# KiCad board Ethernet controller W5500 board_panel.kicad_pcb (continued)
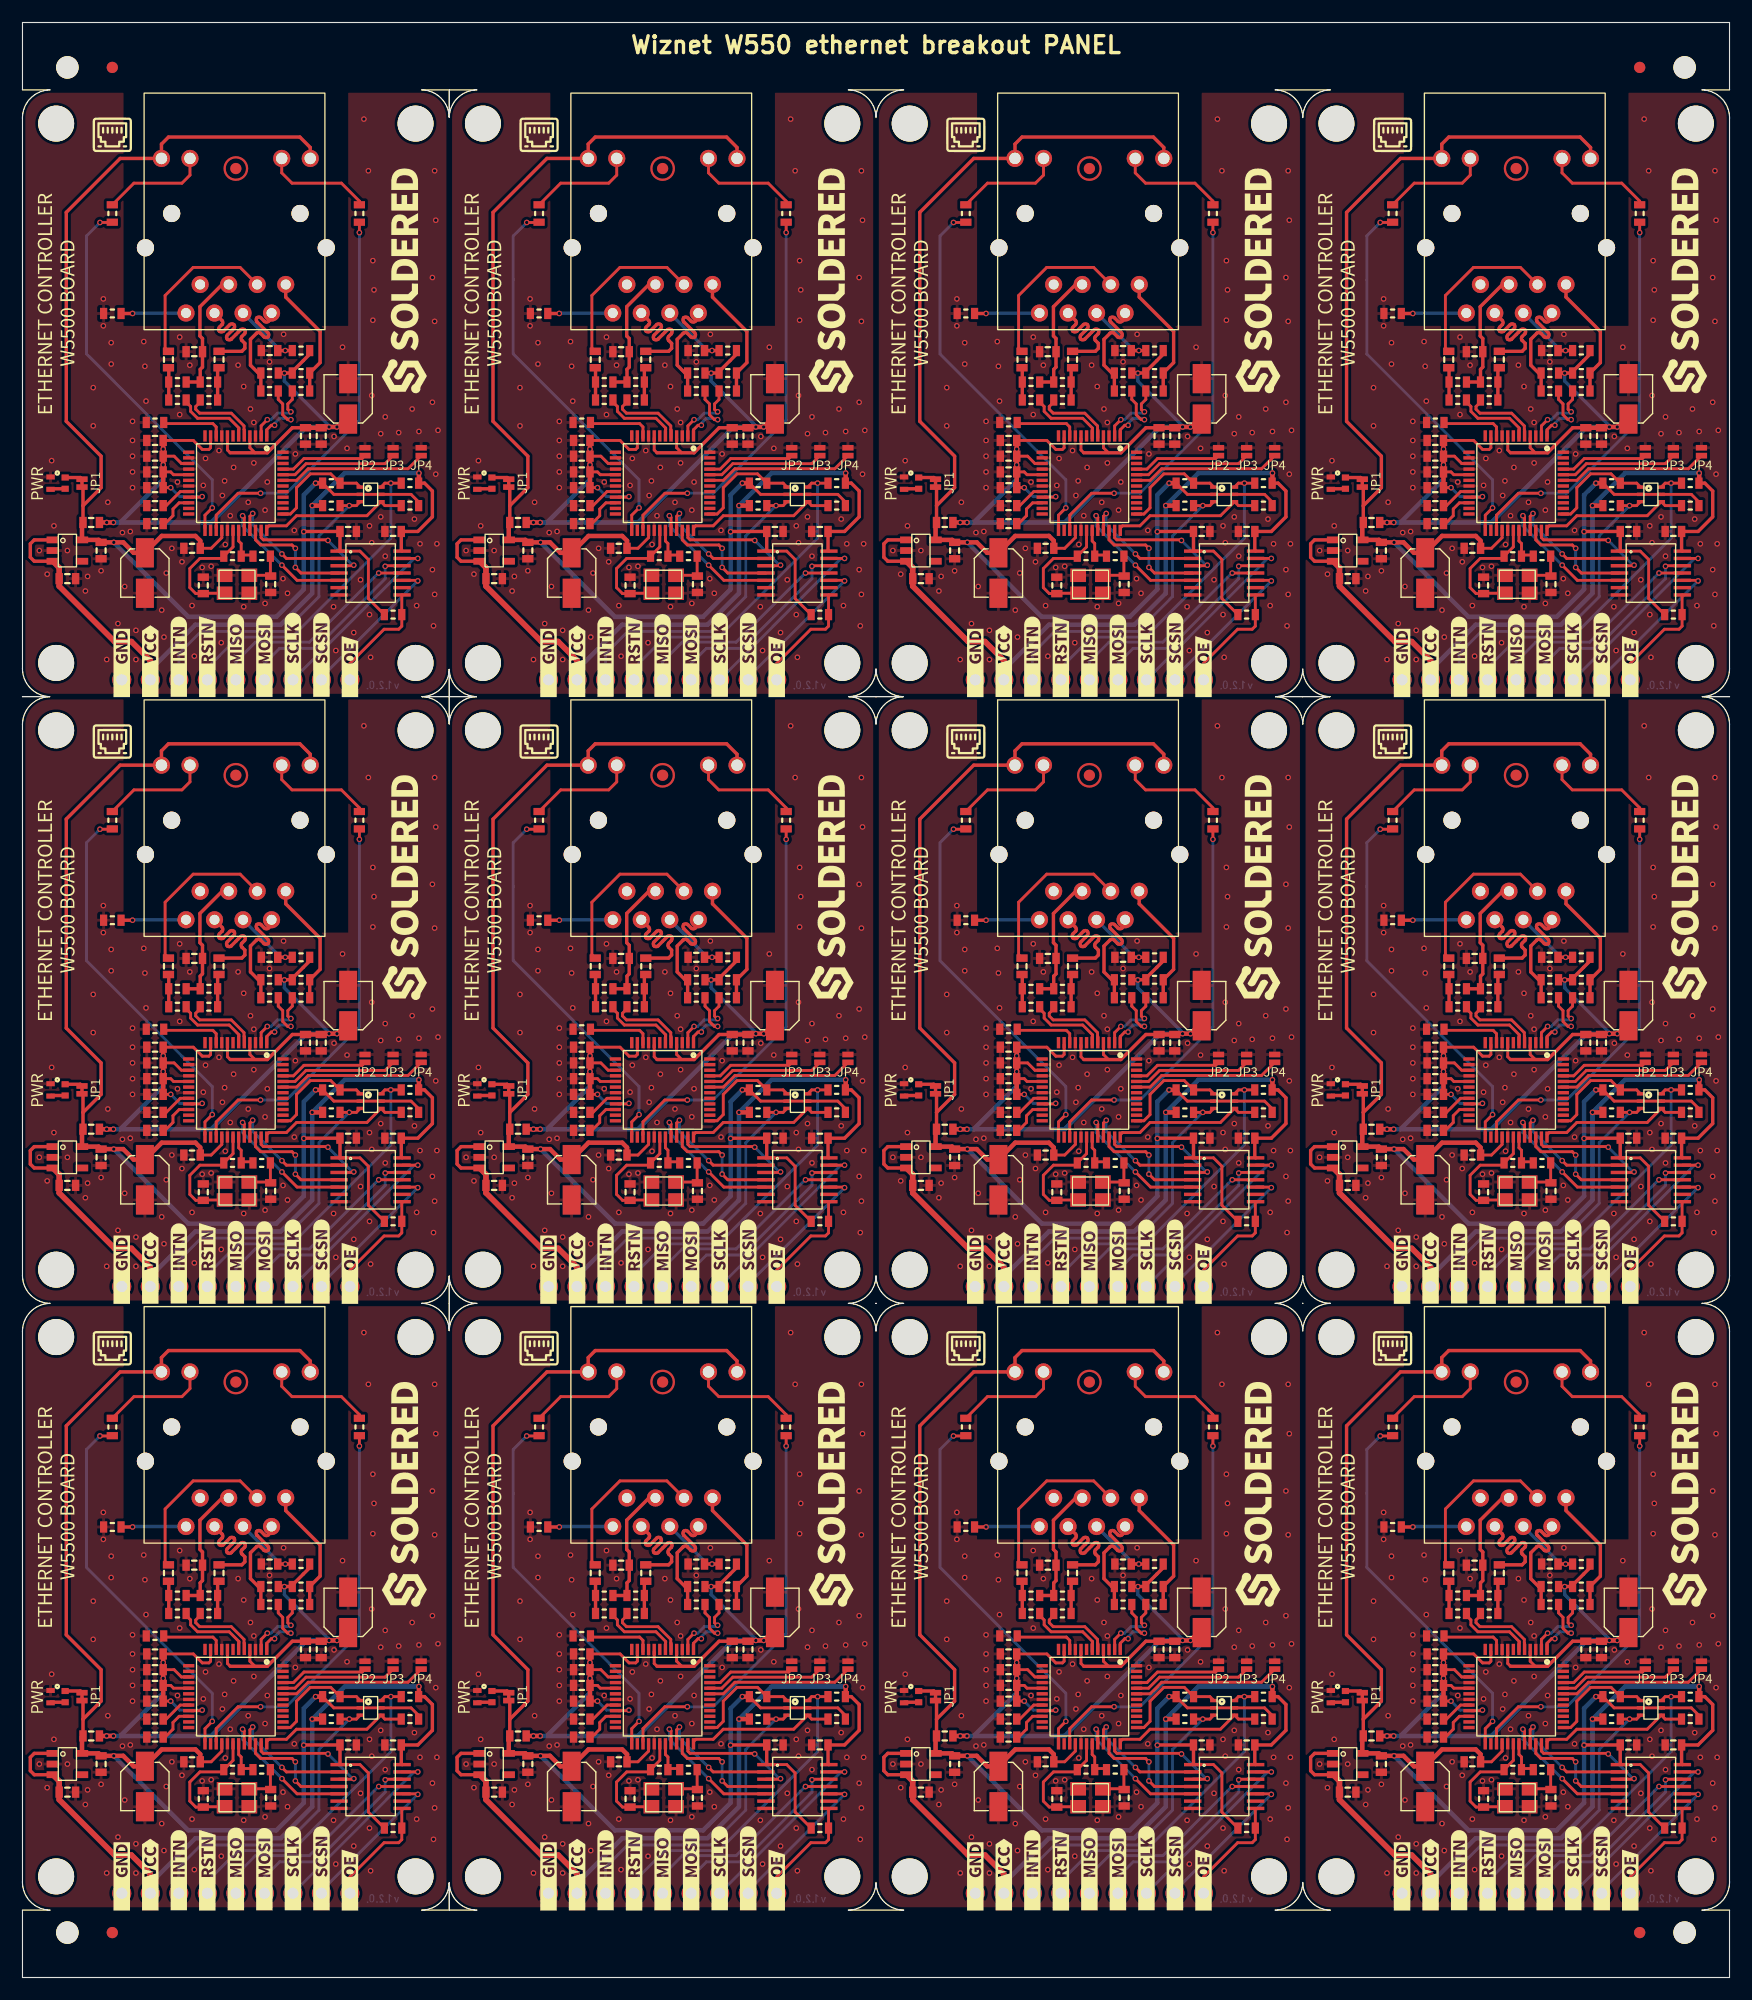
[diagram p0: board, top side]
## Routing (per net, layer and track width the routed paths; a pad name or vN(x,y) marks a point on that pad's centre or on a via; arc(x,y) is an arc through that point) (continued)
Board_9-INTn_H: length 28.1
  Top w0.254: U5.3 67.73,23 v1(67.1,23) R22#2.2
  Bottom w0.254: K2.3 51.92,9.82 53.9,11.8 61.3,11.8 64.4,14.9 64.4,20.3 v1(67.1,23)
Board_9-INTn_L: length 13.1
  Top w0.254: R28#10.2 70.27,23 U5.4 68.67,22.1 62.4,22.1 61.5,21.2 59.95,21.2 59.75,21
Board_9-LINKLED: length 33.7
  Top w0.254: R11#4.2 45.98,48.2 v1(44.9,48.2) ; 54.25,21 54.25,22.15 v1(54.9,22.8)
  Bottom w0.254: v1(54.9,22.8) 54.9,25.3 43.7,36.5 43.7,47 v1(44.9,48.2)
Board_9-MISO_H: length 19.7
  Top w0.254: v1(69.72,17) U3.11
  Bottom w0.254: K2.5 57,9.1 58.75,10.85 63.55,10.85 69.7,17 v1(69.72,17)
Board_9-MISO_L: length 10.7
  Top w0.254: U3.4 62.8,17 v1(62.3,17.5) ; v1(62.3,19.2) 62,19.5 59.2,19.5 58.75,19.95 58.75,21
  Bottom w0.254: v1(62.3,17.5) v1(62.3,19.2)
Board_9-MOSI_H: length 18
  Top w0.254: v1(70.3,17.6) 70.35,17.65 U3.12
  Bottom w0.254: v1(70.3,17.6) 70.3,16.5 64.1,10.3 60.9,10.3 59.54,8.94 K2.6
Board_9-MOSI_L: length 11.4
  Top w0.254: v1(65.2,19.9) 65.15,19.95 59.45,19.95 59.25,20.15 59.25,21 ; v1(67.5,17.7) 67.45,17.65 U3.3
  Bottom w0.254: v1(65.2,19.9) 67.4,17.7 v1(67.5,17.7)
Board_9-Net-(C7-Pad2): length 11.5
  Top w0.3: R7#7.1 R9#9.1 53.83,35.12 54.03,35.33 C7#12.2 54.03,37.87 53.8,38.1 53.8,40.7 55.78,42.68 K1#4.5
Board_9-Net-(C9-Pad2): length 2.9
  Top w0.3: C9#8.2 55.38,35.15 R9#9.2 R3#8.2
Board_9-Net-(C10-Pad2): length 2.9
  Top w0.3: C10#5.2 51.03,35.25 R7#7.2 R4#6.2
Board_9-Net-(C11-Pad2): length 6.4
  Top w0.3: R10#11.1 v1(61.4,36.8) C11#10.2
  Bottom w0.3: K1#4.4 60.98,36.8 v1(61.4,36.8)
Board_9-Net-(C12-Pad2): length 3
  Top w0.254: 53,24.25 52.05,24.25 50.8,23 C12#9.2
Board_9-Net-(C13-Pad2): length 3.4
  Top w0.254: C13#3.2 50.7,21.4 51.4,22.1 51.4,22.7 51.95,23.25 U1#8.22
Board_9-Net-(C16-Pad2): length 11.4
  Top w0.254: X1#10.1 54.13,15.2 C16#4.2 53.43,15.17 52.9,15.7 52.9,17.4 53.8,18.3 55.73,18.3 56.75,19.32 56.75,21
Board_9-Net-(C17-Pad2): length 3.8
  Top w0.254: X1#10.3 60.03,16.8 C17#10.2 60.08,16.75 60.08,18.6
Board_9-Net-(D1-Pad1): length 1.3
  Top w0.3: R13#12.2 40.55,24.5 D1.1
Board_9-Net-(JP1-Pad2): length 1.6
  Top w0.3: JP1#10.2 43.15,25.5 R13#12.1
Board_9-Net-(K1-Pad10): length 9.6
  Top w0.254: R12#2.1 68,50.1 66.4,51.7 62,51.7 61.09,52.62 K1#4.10
Board_9-Net-(K1-Pad11): length 9.5
  Top w0.254: R11#4.1 47.93,51.7 52.2,51.7 52.92,52.41 K1#4.11
Board_9-Net-(R5-Pad2): length 5.8
  Top w0.254: R5#3.2 50.68,30.3 54.95,30.3 55.25,30 55.25,29
Board_9-Net-(R14-Pad2): length 3.5
  Top w0.254: 58.53,18.6 57.48,18.6 57.48,19.62 57.25,19.85 57.25,21
Board_9-OE: length 10.2
  Top w0.254: K2.9 67.16,8.96 70.2,12 71.5,12 71.78,12.28 R17#12.2 71.78,15.03 U3.8
Board_9-PMODE0: length 8
  Top w0.254: JP2#7.2 68.24,27.19 63.06,27.19 62.13,26.25 61,26.25
Board_9-PMODE1: length 10.7
  Top w0.254: 61,25.75 62.27,25.75 63.25,26.73 70.28,26.73 JP3#8.2
Board_9-PMODE2: length 13.4
  Top w0.254: 61,25.25 62.41,25.25 63.44,26.28 72.33,26.28 JP4#4.2
Board_9-RSTn_H: length 29
  Top w0.254: U5.6 70.27,25 v1(70.8,25) R27#3.1
  Bottom w0.254: K2.4 54.46,8.56 57.2,11.3 62,11.3 70.8,20.1 v1(70.8,25)
Board_9-RSTn_L: length 10.1
  Top w0.254: 61,22.25 61.85,22.25 62.4,22.8 62.4,24.6 63.63,25.83 65.45,25.83 R21#11.1 67.73,25 U5.1
Board_9-RX+: length 7
  Top w0.254: R4#6.1 52.58,32.22 52.97,31.82 52.97,31.39 53.59,30.77 56.41,30.77 57.27,29.91 57.27,29.77 57.25,29.75 57.25,29
Board_9-RX-: length 7
  Top w0.254: 57.75,29 57.75,29.75 57.73,29.77 57.73,30.09 56.6,31.23 53.78,31.23 53.43,31.58 53.43,31.82 53.83,32.22 R3#8.1
Board_9-SCLK_H: length 17
  Top w0.254: v1(73.2,18.3) U3.13
  Bottom w0.254: K2.7 72.88,18.3 v1(73.2,18.3)
Board_9-SCLK_L: length 11.3
  Top w0.254: U3.2 61.5,18.3 v1(61.1,18.7) ; v1(58.5,22.3) 58.25,22.05 58.25,21
  Bottom w0.254: v1(58.5,22.3) 58.5,21.3 v1(61.1,18.7)
Board_9-SCSn_H: length 13.8
  Top w0.254: U3.10 73.15,16.35 v1(73.2,16.3)
  Bottom w0.254: K2.8 64.62,7.72 v1(73.2,16.3)
Board_9-SCSn_L: length 12.7
  Top w0.254: v1(57.6,22.1) 57.75,21.95 57.75,21 ; v1(61.1,17.7) 62.45,16.35 U3.5
  Bottom w0.254: v1(57.6,22.1) 57.6,21.2 v1(61.1,17.7)
Board_9-TX+: length 6.4
  Top w0.254: R2#2.1 62.03,32.45 61.63,32.05 61.63,31.57 61.84,31.35 v1(61.9,31.35) ; v1(59.8,30.65) 59.25,30.1 59.25,29
  Bottom w0.254: v1(61.9,31.35) 61.78,31.23 60.71,31.23 60.13,30.65 v1(59.8,30.65)
Board_9-TX-: length 6.7
  Top w0.254: v1(60.45,30.15) 60.15,30.15 59.75,29.75 59.75,29 ; v1(61.9,30.65) 61.61,30.65 61.17,31.09 61.17,32.05 60.78,32.45 R1#11.1
  Bottom w0.254: v1(61.9,30.65) 61.78,30.77 60.9,30.77 60.45,30.33 v1(60.45,30.15)
Board_9-VCC: length 67.9
  Top w0.3: U2#2.1 39.05,19.95 38.7,19.6 38.7,18.4 39.05,18.05 U2#2.3 ; R27#3.2 73.8,25 74.5,24.3 74.5,22 73.2,20.7 C21#6.1 71.73,19.02 U3.14
  Top w0.4: R27#3.2 73.3,25.03 v1(73.3,25.9) ; R22#2.1 v1(63.8,23)
  Top w0.5: K2.2 49.38,9.22 47.7,10.9 46.2,10.9 41.27,15.83 C18#11.2 41.27,17.48 U2#2.3
  Bottom w0.4: K2.2 49.38,8.38 53.4,12.4 61,12.4 63.8,15.2 63.8,22.93 63.77,22.96 v1(63.8,23) 66.7,25.9 v1(73.3,25.9)
Board_10-3V3: length 129.2
  Top w0.254: R21#7.2 103.73,24 U5#6.2 U5#6.5 110.6,24 111.28,23.32 R28#2.1 ; 93.75,21 93.75,20.15 92.8,19.2 C14#12.2 ; R17#3.1 106.8,14.72 106.8,18.2 106.05,18.95 U3#2.1
  Top w0.3: K1#8.9 101.63,54.88 100.7,55.8 89,55.8 88.38,55.18 K1#8.12 84.7,53.9 79.9,49.1 79.9,30.5 83,27.4 83,24.6 81.39,22.99 ; 81.39,22.99 FB1#7.1 ; 81.39,22.99 81.39,24.56 JP1#12.1 ; U3#2.1 104.27,19.02 C20#6.2 101.07,20.7 v1(101.05,20.68)
  Top w0.4: C14#12.2 91.83,19.87 91.4,20.3 88.4,20.3 C15#12.1 85.9,18.8 84.97,19.73 C19#10.2 82.78,19.95 U2#8.5 81.3,21.41 FB1#7.1 ; v1(102.1,25) R21#7.2
  Bottom w0.4: v1(84.13,19.73) 90.76,13.1 98.6,13.1 101.05,15.55 v1(101.05,20.68) 101.05,23.95 v1(102.1,25)
Board_10-3V3_A: length 77.8
  Top w0.254: v1(89.2,24.6) C8#10.2 ; C6#9.2 89.2,26 89.45,25.75 91,25.75 ; 91,23.75 91.95,23.75 v1(92,23.8) ; 94.25,29 94.25,27.95 94.5,27.7 ; 96.25,29 96.25,28.15 96.7,27.7 ; 91,26.75 90.15,26.75 89.5,27.4 C5#2.2 ; C4#6.2 91.21,28.8 92.01,28 92.6,28 92.75,28.15 92.75,29
  Top w0.3: R10#7.2 101.58,36.47 100.03,34.93 R8#10.2 R6#10.2 ; 94.5,27.7 97.8,27.7 100.03,29.93 C2#3.2
  Top w0.4: C2#3.2 C3#9.2 102.67,30 v1(103.3,30) v1(104,30) 104.7,30.7 ; C4#6.2 v1(88.53,28.03) v1(88.53,26.63) C8#10.2 ; FB1#7.2 v1(83.5,21.5) v1(84.1,21.5)
  Bottom w0.254: v1(92,23.8) 90,23.8 v1(89.2,24.6)
  Bottom w0.3: v1(99.32,34.79) 99.32,34.08 103.3,30.1 v1(103.3,30)
  Bottom w0.4: v1(104,30) 101.3,30 92.8,21.5 84.7,21.5 ; 84.7,21.5 v1(84.1,21.5) v1(83.5,21.5) ; 84.7,21.5 88.53,25.33 v1(88.53,26.63) v1(88.53,28.03)
Board_10-/RXN: length 11.6
  Top w0.3: K1#8.6 93.77,39.47 arc(93.84,39.29) 93.77,39.12 93.53,38.88 arc(93.46,38.7) 93.53,38.52 arc(93.71,38.45) 93.89,38.52 94.47,39.11 arc(94.65,39.18) 94.82,39.11 94.83,39.1 arc(94.9,38.93) 94.83,38.76 94.24,38.17 arc(94.17,37.99) 94.24,37.82 arc(94.42,37.74) 94.59,37.82 95.42,38.65 arc(95.6,38.72) 95.78,38.65 arc(95.85,38.47) 95.78,38.29 95.54,38.06 arc(95.47,37.88) 95.54,37.7 95.8,37.44 95.8,37 95.53,36.73 C9#9.1
Board_10-/RXP: length 15
  Top w0.254: K1#8.3 95.38,44.2 91.2,44.2 88.7,41.7 88.7,37.03 C10#8.1
Board_10-/TXN: length 11.4
  Top w0.3: K1#8.2 98.18,39.68 97.9,39.4 arc(97.72,39.33) 97.55,39.4 97.23,39.71 arc(97.06,39.79) 96.88,39.71 arc(96.81,39.54) 96.88,39.36 97.86,38.38 arc(97.94,38.2) 97.86,38.02 arc(97.69,37.95) 97.51,38.02 97.19,38.34 arc(97.02,38.41) 96.84,38.34 96.3,37.8 96.3,35.5 97,34.8 R6#10.1 R1.2
Board_10-/TXP: length 11.1
  Top w0.3: R2#3.2 R8#10.1 102.5,35.72 102.5,38.5 99.44,41.56 K1#8.1
Board_10-ACTLED: length 35
  Top w0.254: 93.25,21 93.25,22.15 95.2,24.1 v1(97.2,24.1) ; v1(106,47.3) R12#6.2
  Bottom w0.254: v1(106,47.3) 106,30.6 99.5,24.1 v1(97.2,24.1)
Board_10-CGND: length 5.8
  Top w0.3: v1(85.8,40.1) R16#6.2
  Bottom w0.3: v1(85.8,40.1) 85.84,40.14 K1#8.8
Board_10-GND:
  vias: v1(77.5,19) v1(78.2,16.9) v1(78.6,27) v1(78.8,21.2) v1(80,19) v1(81.6,15.4) v1(81.8,16.7) v1(82.3,33.5) v1(82.3,30.1) v1(83,17.2) v1(83.2,41.4) v1(83.2,39) v1(83.5,9.3) v1(83.6,23.3) v1(83.9,37.5) v1(83.9,35.6) v1(84.5,12.5) v1(84.9,20.6) v1(85.1,15.8) v1(85.6,20.7) v1(85.8,30.5) v1(85.8,28.8) v1(85.8,27.4) v1(85.8,26) v1(85.8,24.6) v1(86.1,11.9) v1(86.1,9.3) v1(86.8,37.6) v1(86.9,35.4) v1(87,32.3) v1(88.4,13.7) v1(88.6,11.3) v1(88.8,17) v1(89.3,19.2) v1(89.8,25.1) v1(90,38) v1(90,31.1) v1(90.2,18) v1(90.9,35.5) v1(91.1,14.1) v1(91.3,9.6) v1(92,17.5) v1(92.1,24.8) v1(92.3,27.2) v1(92.8,17.6) v1(93.5,27.9) v1(93.7,10.8) v1(93.8,23.9) v1(94,25.2) v1(94.06,19.54) v1(94.5,22.1) v1(94.8,26.4) v1(95.2,35.5) v1(95.7,33.6) v1(95.7,14) v1(96.1,23.3) v1(96.3,31.6) v1(96.6,30.4) v1(96.6,26.8) v1(97.6,22.6) v1(97.6,14.3) v1(97.8,25.1) v1(98,35.8) v1(99.2,16.5) v1(99.25,38.25) v1(99.6,15.2) v1(100.2,20.8) v1(100.3,27.6) v1(103.74,29.16) v1(103.7,14) v1(103.9,10.1) v1(104.5,37.1) v1(104.9,28.1) v1(105.5,11.7) v1(106.1,16.4) v1(106.4,57.4) v1(106.8,52.8) v1(106.9,21.2) v1(106.9,13.3) v1(107,9.5) v1(107.1,32.8) v1(107.1,19.7) v1(107.2,44.8) v1(107.2,39.5) v1(107.3,42.2) v1(107.9,29.4) v1(107.9,22) v1(108.3,30.9) v1(108.3,18.5) v1(109.5,29.5) v1(110.7,31.6) v1(110.9,21.8) v1(111.1,14.1) v1(111.3,29.6) v1(111.4,19.6) v1(112.5,43.3) v1(112.5,32.2) v1(112.5,17.3) v1(112.6,12.3) v1(112.7,52.8) v1(112.7,39.4) v1(112.7,15.1) v1(112.8,48.4) v1(112.8,25.8) v1(112.9,19.6) v1(113,29.7)
Board_10-INTn_H: length 28.1
  Top w0.254: R22#5.2 v1(105.1,23) 105.73,23 U5#6.3
  Bottom w0.254: K2#11.3 89.92,9.82 91.9,11.8 99.3,11.8 102.4,14.9 102.4,20.3 v1(105.1,23)
Board_10-INTn_L: length 13.1
  Top w0.254: R28#2.2 108.27,23 U5#6.4 106.67,22.1 100.4,22.1 99.5,21.2 97.95,21.2 97.75,21
Board_10-LINKLED: length 33.7
  Top w0.254: v1(92.9,22.8) 92.25,22.15 92.25,21 ; v1(82.9,48.2) 83.98,48.2 R11#9.2
  Bottom w0.254: v1(92.9,22.8) 92.9,25.3 81.7,36.5 81.7,47 v1(82.9,48.2)
Board_10-MISO_H: length 19.7
  Top w0.254: v1(107.72,17) U3#2.11
  Bottom w0.254: K2#11.5 95,9.1 96.75,10.85 101.55,10.85 107.7,17 v1(107.72,17)
Board_10-MISO_L: length 10.7
  Top w0.254: 96.75,21 96.75,19.95 97.2,19.5 100,19.5 v1(100.3,19.2) ; v1(100.3,17.5) 100.8,17 U3#2.4
  Bottom w0.254: v1(100.3,17.5) v1(100.3,19.2)
Board_10-MOSI_H: length 18
  Top w0.254: U3#2.12 108.35,17.65 v1(108.3,17.6)
  Bottom w0.254: v1(108.3,17.6) 108.3,16.5 102.1,10.3 98.9,10.3 97.54,8.94 K2#11.6
Board_10-MOSI_L: length 11.4
  Top w0.254: 97.25,21 97.25,20.15 97.45,19.95 103.15,19.95 v1(103.2,19.9) ; v1(105.5,17.7) 105.45,17.65 U3#2.3
  Bottom w0.254: v1(105.5,17.7) 105.4,17.7 v1(103.2,19.9)
Board_10-Net-(C7-Pad2): length 11.5
  Top w0.3: R7#6.1 R9#6.1 91.83,35.12 92.03,35.33 C7#9.2 92.03,37.87 91.8,38.1 91.8,40.7 93.78,42.68 K1#8.5
Board_10-Net-(C9-Pad2): length 2.9
  Top w0.3: R3#7.2 R9#6.2 93.38,35.15 C9#9.2
Board_10-Net-(C10-Pad2): length 2.9
  Top w0.3: R4#8.2 R7#6.2 89.03,35.25 C10#8.2
Board_10-Net-(C11-Pad2): length 6.4
  Top w0.3: C11#8.2 v1(99.4,36.8) R10#7.1
  Bottom w0.3: v1(99.4,36.8) 98.98,36.8 K1#8.4
Board_10-Net-(C12-Pad2): length 3
  Top w0.254: C12#4.2 88.8,23 90.05,24.25 91,24.25
Board_10-Net-(C13-Pad2): length 3.4
  Top w0.254: C13#7.2 88.7,21.4 89.4,22.1 89.4,22.7 89.95,23.25 U1#9.22
Board_10-Net-(C16-Pad2): length 11.4
  Top w0.254: 94.75,21 94.75,19.32 93.73,18.3 91.8,18.3 90.9,17.4 90.9,15.7 91.43,15.17 C16.2 92.13,15.2 X1#12.1
Board_10-Net-(C17-Pad2): length 3.8
  Top w0.254: 98.08,18.6 98.08,16.75 C17#6.2 98.03,16.8 X1#12.3
Board_10-Net-(D1-Pad1): length 1.3
  Top w0.3: D1#10.1 78.55,24.5 R13.2
Board_10-Net-(JP1-Pad2): length 1.6
  Top w0.3: JP1#12.2 81.15,25.5 R13.1
Board_10-Net-(K1-Pad10): length 9.6
  Top w0.254: R12#6.1 106,50.1 104.4,51.7 100,51.7 99.09,52.62 K1#8.10
Board_10-Net-(K1-Pad11): length 9.5
  Top w0.254: R11#9.1 85.93,51.7 90.2,51.7 90.92,52.41 K1#8.11
Board_10-Net-(R5-Pad2): length 5.8
  Top w0.254: 93.25,29 93.25,30 92.95,30.3 88.68,30.3 R5#6.2
Board_10-Net-(R14-Pad2): length 3.5
  Top w0.254: 96.53,18.6 95.48,18.6 95.48,19.62 95.25,19.85 95.25,21
Board_10-OE: length 10.2
  Top w0.254: K2#11.9 105.16,8.96 108.2,12 109.5,12 109.78,12.28 R17#3.2 109.78,15.03 U3#2.8
Board_10-PMODE0: length 8
  Top w0.254: 99,26.25 100.13,26.25 101.06,27.19 106.24,27.19 JP2#6.2
Board_10-PMODE1: length 10.7
  Top w0.254: JP3.2 108.28,26.73 101.25,26.73 100.27,25.75 99,25.75
Board_10-PMODE2: length 13.4
  Top w0.254: JP4#7.2 110.33,26.28 101.44,26.28 100.41,25.25 99,25.25
Board_10-RSTn_H: length 29
  Top w0.254: U5#6.6 108.27,25 v1(108.8,25) R27#6.1
  Bottom w0.254: K2#11.4 92.46,8.56 95.2,11.3 100,11.3 108.8,20.1 v1(108.8,25)
Board_10-RSTn_L: length 10.1
  Top w0.254: U5#6.1 105.73,25 R21#7.1 103.45,25.83 101.63,25.83 100.4,24.6 100.4,22.8 99.85,22.25 99,22.25
Board_10-RX+: length 7
  Top w0.254: 95.25,29 95.25,29.75 95.27,29.77 95.27,29.91 94.41,30.77 91.59,30.77 90.97,31.39 90.97,31.82 90.58,32.22 R4#8.1
Board_10-RX-: length 7
  Top w0.254: R3#7.1 91.83,32.22 91.43,31.82 91.43,31.58 91.78,31.23 94.6,31.23 95.73,30.09 95.73,29.77 95.75,29.75 95.75,29
Board_10-SCLK_H: length 17
  Top w0.254: v1(111.2,18.3) U3#2.13
  Bottom w0.254: K2#11.7 110.88,18.3 v1(111.2,18.3)
Board_10-SCLK_L: length 11.3
  Top w0.254: v1(96.5,22.3) 96.25,22.05 96.25,21 ; U3#2.2 99.5,18.3 v1(99.1,18.7)
  Bottom w0.254: v1(99.1,18.7) 96.5,21.3 v1(96.5,22.3)
Board_10-SCSn_H: length 13.8
  Top w0.254: v1(111.2,16.3) 111.15,16.35 U3#2.10
  Bottom w0.254: v1(111.2,16.3) 102.62,7.72 K2#11.8
Board_10-SCSn_L: length 12.7
  Top w0.254: 95.75,21 95.75,21.95 v1(95.6,22.1) ; U3#2.5 100.45,16.35 v1(99.1,17.7)
  Bottom w0.254: v1(99.1,17.7) 95.6,21.2 v1(95.6,22.1)
Board_10-TX+: length 6.4
  Top w0.254: 97.25,29 97.25,30.1 v1(97.8,30.65) ; R2#3.1 100.03,32.45 99.63,32.05 99.63,31.57 99.84,31.35 v1(99.9,31.35)
  Bottom w0.254: v1(99.9,31.35) 99.78,31.23 98.71,31.23 98.13,30.65 v1(97.8,30.65)
Board_10-TX-: length 6.7
  Top w0.254: v1(99.9,30.65) 99.61,30.65 99.17,31.09 99.17,32.05 98.78,32.45 R1.1 ; 97.75,29 97.75,29.75 98.15,30.15 v1(98.45,30.15)
  Bottom w0.254: v1(98.45,30.15) 98.45,30.33 98.9,30.77 99.78,30.77 v1(99.9,30.65)
Board_10-VCC: length 67.9
  Top w0.3: R27#6.2 111.8,25 112.5,24.3 112.5,22 111.2,20.7 C21#12.1 109.73,19.02 U3#2.14 ; U2#8.1 77.05,19.95 76.7,19.6 76.7,18.4 77.05,18.05 U2#8.3
  Top w0.4: v1(111.3,25.9) 111.3,25.03 R27#6.2 ; R22#5.1 v1(101.8,23)
  Top w0.5: U2#8.3 79.27,17.48 C18#5.2 79.27,15.83 84.2,10.9 85.7,10.9 87.38,9.22 K2#11.2
  Bottom w0.4: v1(111.3,25.9) 104.7,25.9 v1(101.8,23) 101.77,22.96 101.8,22.93 101.8,15.2 99,12.4 91.4,12.4 87.38,8.38 K2#11.2
Board_11-3V3: length 129.2
  Top w0.254: R17#7.1 144.8,14.72 144.8,18.2 144.05,18.95 U3#6.1 ; C14#5.2 130.8,19.2 131.75,20.15 131.75,21 ; R21#8.2 141.73,24 U5#4.2 U5#4.5 148.6,24 149.28,23.32 R28#4.1
  Top w0.3: v1(139.05,20.68) 139.07,20.7 C20#4.2 142.27,19.02 U3#6.1 ; K1#9.9 139.63,54.88 138.7,55.8 127,55.8 126.38,55.18 K1#9.12 122.7,53.9 117.9,49.1 117.9,30.5 121,27.4 121,24.6 119.39,22.99 ; 119.39,22.99 FB1#4.1 ; 119.39,22.99 119.39,24.56 JP1#11.1
  Top w0.4: C14#5.2 129.83,19.87 129.4,20.3 126.4,20.3 C15#7.1 123.9,18.8 122.97,19.73 C19#7.2 120.78,19.95 U2#3.5 119.3,21.41 FB1#4.1 ; v1(140.1,25) R21#8.2
  Bottom w0.4: v1(140.1,25) 139.05,23.95 v1(139.05,20.68) 139.05,15.55 136.6,13.1 128.76,13.1 v1(122.13,19.73)
Board_11-3V3_A: length 77.8
  Top w0.254: 134.7,27.7 134.25,28.15 134.25,29 ; 132.5,27.7 132.25,27.95 132.25,29 ; C6#8.2 127.2,26 127.45,25.75 129,25.75 ; v1(130,23.8) 129.95,23.75 129,23.75 ; C5#6.2 127.5,27.4 128.15,26.75 129,26.75 ; C4#9.2 129.21,28.8 130.01,28 130.6,28 130.75,28.15 130.75,29 ; v1(127.2,24.6) C8#8.2
  Top w0.3: C2#6.2 138.03,29.93 135.8,27.7 132.5,27.7 ; R6#4.2 R8#11.2 138.03,34.93 139.58,36.47 R10#3.2
  Top w0.4: C2#6.2 C3.2 140.67,30 v1(141.3,30) v1(142,30) 142.7,30.7 ; FB1#4.2 v1(121.5,21.5) v1(122.1,21.5) ; C4#9.2 v1(126.53,28.03) v1(126.53,26.63) C8#8.2
  Bottom w0.254: v1(130,23.8) 128,23.8 v1(127.2,24.6)
  Bottom w0.3: v1(141.3,30) 141.3,30.1 137.32,34.08 v1(137.32,34.79)
  Bottom w0.4: 122.7,21.5 130.8,21.5 139.3,30 v1(142,30) ; 122.7,21.5 126.53,25.33 v1(126.53,26.63) v1(126.53,28.03) ; 122.7,21.5 v1(122.1,21.5) v1(121.5,21.5)
Board_11-/RXN: length 11.6
  Top w0.3: K1#9.6 131.77,39.47 arc(131.84,39.29) 131.77,39.12 131.53,38.88 arc(131.46,38.7) 131.53,38.52 arc(131.71,38.45) 131.89,38.52 132.47,39.11 arc(132.65,39.18) 132.82,39.11 132.83,39.1 arc(132.9,38.93) 132.83,38.76 132.24,38.17 arc(132.17,37.99) 132.24,37.82 arc(132.42,37.74) 132.59,37.82 133.42,38.65 arc(133.6,38.72) 133.78,38.65 arc(133.85,38.47) 133.78,38.29 133.54,38.06 arc(133.47,37.88) 133.54,37.7 133.8,37.44 133.8,37 133.53,36.73 C9#3.1
Board_11-/RXP: length 15
  Top w0.254: K1#9.3 133.38,44.2 129.2,44.2 126.7,41.7 126.7,37.03 C10#6.1
Board_11-/TXN: length 11.4
  Top w0.3: K1#9.2 136.18,39.68 135.9,39.4 arc(135.72,39.33) 135.55,39.4 135.23,39.71 arc(135.06,39.79) 134.88,39.71 arc(134.81,39.54) 134.88,39.36 135.86,38.38 arc(135.94,38.2) 135.86,38.02 arc(135.69,37.95) 135.51,38.02 135.19,38.34 arc(135.02,38.41) 134.84,38.34 134.3,37.8 134.3,35.5 135,34.8 R6#4.1 R1#4.2
Board_11-/TXP: length 11.1
  Top w0.3: K1#9.1 137.44,41.56 140.5,38.5 140.5,35.72 R8#11.1 R2#7.2
Board_11-ACTLED: length 35
  Top w0.254: 131.25,21 131.25,22.15 133.2,24.1 v1(135.2,24.1) ; v1(144,47.3) R12#3.2
  Bottom w0.254: v1(135.2,24.1) 137.5,24.1 144,30.6 v1(144,47.3)
Board_11-CGND: length 5.8
  Top w0.3: v1(123.8,40.1) R16#12.2
  Bottom w0.3: K1#9.8 123.84,40.14 v1(123.8,40.1)
Board_11-GND:
  vias: v1(115.5,19) v1(116.2,16.9) v1(116.6,27) v1(116.8,21.2) v1(118,19) v1(119.6,15.4) v1(119.8,16.7) v1(120.3,33.5) v1(120.3,30.1) v1(121,17.2) v1(121.2,41.4) v1(121.2,39) v1(121.5,9.3) v1(121.6,23.3) v1(121.9,37.5) v1(121.9,35.6) v1(122.5,12.5) v1(122.9,20.6) v1(123.1,15.8) v1(123.6,20.7) v1(123.8,30.5) v1(123.8,28.8) v1(123.8,27.4) v1(123.8,26) v1(123.8,24.6) v1(124.1,11.9) v1(124.1,9.3) v1(124.8,37.6) v1(124.9,35.4) v1(125,32.3) v1(126.4,13.7) v1(126.6,11.3) v1(126.8,17) v1(127.3,19.2) v1(127.8,25.1) v1(128,38) v1(128,31.1) v1(128.2,18) v1(128.9,35.5) v1(129.1,14.1) v1(129.3,9.6) v1(130,17.5) v1(130.1,24.8) v1(130.3,27.2) v1(130.8,17.6) v1(131.5,27.9) v1(131.7,10.8) v1(131.8,23.9) v1(132,25.2) v1(132.06,19.54) v1(132.5,22.1) v1(132.8,26.4) v1(133.2,35.5) v1(133.7,33.6) v1(133.7,14) v1(134.1,23.3) v1(134.3,31.6) v1(134.6,30.4) v1(134.6,26.8) v1(135.6,22.6) v1(135.6,14.3) v1(135.8,25.1) v1(136,35.8) v1(137.2,16.5) v1(137.25,38.25) v1(137.6,15.2) v1(138.2,20.8) v1(138.3,27.6) v1(141.74,29.16) v1(141.7,14) v1(141.9,10.1) v1(142.5,37.1) v1(142.9,28.1) v1(143.5,11.7) v1(144.1,16.4) v1(144.4,57.4) v1(144.8,52.8) v1(144.9,21.2) v1(144.9,13.3) v1(145,9.5) v1(145.1,32.8) v1(145.1,19.7) v1(145.2,44.8) v1(145.2,39.5) v1(145.3,42.2) v1(145.9,29.4) v1(145.9,22) v1(146.3,30.9) v1(146.3,18.5) v1(147.5,29.5) v1(148.7,31.6) v1(148.9,21.8) v1(149.1,14.1) v1(149.3,29.6) v1(149.4,19.6) v1(150.5,43.3) v1(150.5,32.2) v1(150.5,17.3) v1(150.6,12.3) v1(150.7,52.8) v1(150.7,39.4) v1(150.7,15.1) v1(150.8,48.4) v1(150.8,25.8) v1(150.9,19.6) v1(151,29.7)
Board_11-INTn_H: length 28.1
  Top w0.254: R22#9.2 v1(143.1,23) 143.73,23 U5#4.3
  Bottom w0.254: v1(143.1,23) 140.4,20.3 140.4,14.9 137.3,11.8 129.9,11.8 127.92,9.82 K2#3.3
Board_11-INTn_L: length 13.1
  Top w0.254: 135.75,21 135.95,21.2 137.5,21.2 138.4,22.1 144.67,22.1 U5#4.4 146.27,23 R28#4.2
Board_11-LINKLED: length 33.7
  Top w0.254: v1(120.9,48.2) 121.98,48.2 R11#12.2 ; v1(130.9,22.8) 130.25,22.15 130.25,21
  Bottom w0.254: v1(120.9,48.2) 119.7,47 119.7,36.5 130.9,25.3 v1(130.9,22.8)
Board_11-MISO_H: length 19.7
  Top w0.254: v1(145.72,17) U3#6.11
  Bottom w0.254: K2#3.5 133,9.1 134.75,10.85 139.55,10.85 145.7,17 v1(145.72,17)
Board_11-MISO_L: length 10.7
  Top w0.254: 134.75,21 134.75,19.95 135.2,19.5 138,19.5 v1(138.3,19.2) ; v1(138.3,17.5) 138.8,17 U3#6.4
  Bottom w0.254: v1(138.3,17.5) v1(138.3,19.2)
Board_11-MOSI_H: length 18
  Top w0.254: v1(146.3,17.6) 146.35,17.65 U3#6.12
  Bottom w0.254: K2#3.6 135.54,8.94 136.9,10.3 140.1,10.3 146.3,16.5 v1(146.3,17.6)
Board_11-MOSI_L: length 11.4
  Top w0.254: v1(143.5,17.7) 143.45,17.65 U3#6.3 ; 135.25,21 135.25,20.15 135.45,19.95 141.15,19.95 v1(141.2,19.9)
  Bottom w0.254: v1(141.2,19.9) 143.4,17.7 v1(143.5,17.7)
Board_11-Net-(C7-Pad2): length 11.5
  Top w0.3: R7.1 R9#11.1 129.83,35.12 130.03,35.33 C7.2 130.03,37.87 129.8,38.1 129.8,40.7 131.78,42.68 K1#9.5
Board_11-Net-(C9-Pad2): length 2.9
  Top w0.3: C9#3.2 131.38,35.15 R9#11.2 R3#6.2
Board_11-Net-(C10-Pad2): length 2.9
  Top w0.3: R4#2.2 R7.2 127.03,35.25 C10#6.2
Board_11-Net-(C11-Pad2): length 6.4
  Top w0.3: C11#5.2 v1(137.4,36.8) R10#3.1
  Bottom w0.3: K1#9.4 136.98,36.8 v1(137.4,36.8)
Board_11-Net-(C12-Pad2): length 3
  Top w0.254: 129,24.25 128.05,24.25 126.8,23 C12#11.2
Board_11-Net-(C13-Pad2): length 3.4
  Top w0.254: C13#8.2 126.7,21.4 127.4,22.1 127.4,22.7 127.95,23.25 U1#2.22
Board_11-Net-(C16-Pad2): length 11.4
  Top w0.254: X1#11.1 130.13,15.2 C16#11.2 129.43,15.17 128.9,15.7 128.9,17.4 129.8,18.3 131.73,18.3 132.75,19.32 132.75,21
Board_11-Net-(C17-Pad2): length 3.8
  Top w0.254: X1#11.3 136.03,16.8 C17#7.2 136.08,16.75 136.08,18.6
Board_11-Net-(D1-Pad1): length 1.3
  Top w0.3: D1#6.1 116.55,24.5 R13#8.2
Board_11-Net-(JP1-Pad2): length 1.6
  Top w0.3: R13#8.1 119.15,25.5 JP1#11.2
Board_11-Net-(K1-Pad10): length 9.6
  Top w0.254: R12#3.1 144,50.1 142.4,51.7 138,51.7 137.09,52.62 K1#9.10
Board_11-Net-(K1-Pad11): length 9.5
  Top w0.254: R11#12.1 123.93,51.7 128.2,51.7 128.92,52.41 K1#9.11
Board_11-Net-(R5-Pad2): length 5.8
  Top w0.254: 131.25,29 131.25,30 130.95,30.3 126.68,30.3 R5.2
Board_11-Net-(R14-Pad2): length 3.5
  Top w0.254: 134.53,18.6 133.48,18.6 133.48,19.62 133.25,19.85 133.25,21
Board_11-OE: length 10.2
  Top w0.254: K2#3.9 143.16,8.96 146.2,12 147.5,12 147.78,12.28 R17#7.2 147.78,15.03 U3#6.8
Board_11-PMODE0: length 8
  Top w0.254: 137,26.25 138.13,26.25 139.06,27.19 144.24,27.19 JP2#4.2
Board_11-PMODE1: length 10.7
  Top w0.254: 137,25.75 138.27,25.75 139.25,26.73 146.28,26.73 JP3#6.2
Board_11-PMODE2: length 13.4
  Top w0.254: 137,25.25 138.41,25.25 139.44,26.28 148.33,26.28 JP4#12.2
Board_11-RSTn_H: length 29
  Top w0.254: R27#12.1 v1(146.8,25) 146.27,25 U5#4.6
  Bottom w0.254: v1(146.8,25) 146.8,20.1 138,11.3 133.2,11.3 130.46,8.56 K2#3.4
Board_11-RSTn_L: length 10.1
  Top w0.254: U5#4.1 143.73,25 R21#8.1 141.45,25.83 139.63,25.83 138.4,24.6 138.4,22.8 137.85,22.25 137,22.25
Board_11-RX+: length 7
  Top w0.254: 133.25,29 133.25,29.75 133.27,29.77 133.27,29.91 132.41,30.77 129.59,30.77 128.97,31.39 128.97,31.82 128.58,32.22 R4#2.1
Board_11-RX-: length 7
  Top w0.254: 133.75,29 133.75,29.75 133.73,29.77 133.73,30.09 132.6,31.23 129.78,31.23 129.43,31.58 129.43,31.82 129.83,32.22 R3#6.1
Board_11-SCLK_H: length 17
  Top w0.254: v1(149.2,18.3) U3#6.13
  Bottom w0.254: K2#3.7 148.88,18.3 v1(149.2,18.3)
Board_11-SCLK_L: length 11.3
  Top w0.254: 134.25,21 134.25,22.05 v1(134.5,22.3) ; v1(137.1,18.7) 137.5,18.3 U3#6.2
  Bottom w0.254: v1(137.1,18.7) 134.5,21.3 v1(134.5,22.3)
Board_11-SCSn_H: length 13.8
  Top w0.254: v1(149.2,16.3) 149.15,16.35 U3#6.10
  Bottom w0.254: K2#3.8 140.62,7.72 v1(149.2,16.3)
Board_11-SCSn_L: length 12.7
  Top w0.254: 133.75,21 133.75,21.95 v1(133.6,22.1) ; v1(137.1,17.7) 138.45,16.35 U3#6.5
  Bottom w0.254: v1(137.1,17.7) 133.6,21.2 v1(133.6,22.1)
Board_11-TX+: length 6.4
  Top w0.254: v1(135.8,30.65) 135.25,30.1 135.25,29 ; R2#7.1 138.03,32.45 137.63,32.05 137.63,31.57 137.84,31.35 v1(137.9,31.35)
  Bottom w0.254: v1(137.9,31.35) 137.78,31.23 136.71,31.23 136.13,30.65 v1(135.8,30.65)
Board_11-TX-: length 6.7
  Top w0.254: v1(136.45,30.15) 136.15,30.15 135.75,29.75 135.75,29 ; v1(137.9,30.65) 137.61,30.65 137.17,31.09 137.17,32.05 136.78,32.45 R1#4.1
  Bottom w0.254: v1(137.9,30.65) 137.78,30.77 136.9,30.77 136.45,30.33 v1(136.45,30.15)
Board_11-VCC: length 67.9
  Top w0.3: U2#3.1 115.05,19.95 114.7,19.6 114.7,18.4 115.05,18.05 U2#3.3 ; R27#12.2 149.8,25 150.5,24.3 150.5,22 149.2,20.7 C21#10.1 147.73,19.02 U3#6.14
  Top w0.4: v1(149.3,25.9) 149.3,25.03 R27#12.2 ; R22#9.1 v1(139.8,23)
  Top w0.5: U2#3.3 117.27,17.48 C18#6.2 117.27,15.83 122.2,10.9 123.7,10.9 125.38,9.22 K2#3.2
  Bottom w0.4: v1(149.3,25.9) 142.7,25.9 v1(139.8,23) 139.77,22.96 139.8,22.93 139.8,15.2 137,12.4 129.4,12.4 125.38,8.38 K2#3.2

## Copper pours and planes (outline as drawn; the poured copper is in the pictures)
Board_0-GND on Top, Bottom: 38,114 0,114 0,168 38,168
Board_1-GND on Top, Bottom: 76,114 38,114 38,168 76,168
Board_2-GND on Top, Bottom: 114,114 76,114 76,168 114,168
Board_3-GND on Top, Bottom: 152,114 114,114 114,168 152,168
Board_4-GND on Top, Bottom: 38,60 0,60 0,114 38,114
Board_5-GND on Top, Bottom: 76,60 38,60 38,114 76,114
Board_6-GND on Top, Bottom: 114,60 76,60 76,114 114,114
